# Altium PCB PCB1.PcbDoc (part 2 of 2)
Units mil, origin at the board's own origin, x right, y up, seen from the top; angles counter-clockwise.
Board outline 4800.71 x 4887.56 mil, 4 copper layers (Top Layer, Signal Layer 1, Signal Layer 2, Bottom Layer), stack 38.234 mil thick; 156 components, 108 nets, 515 pads, 93 vias.
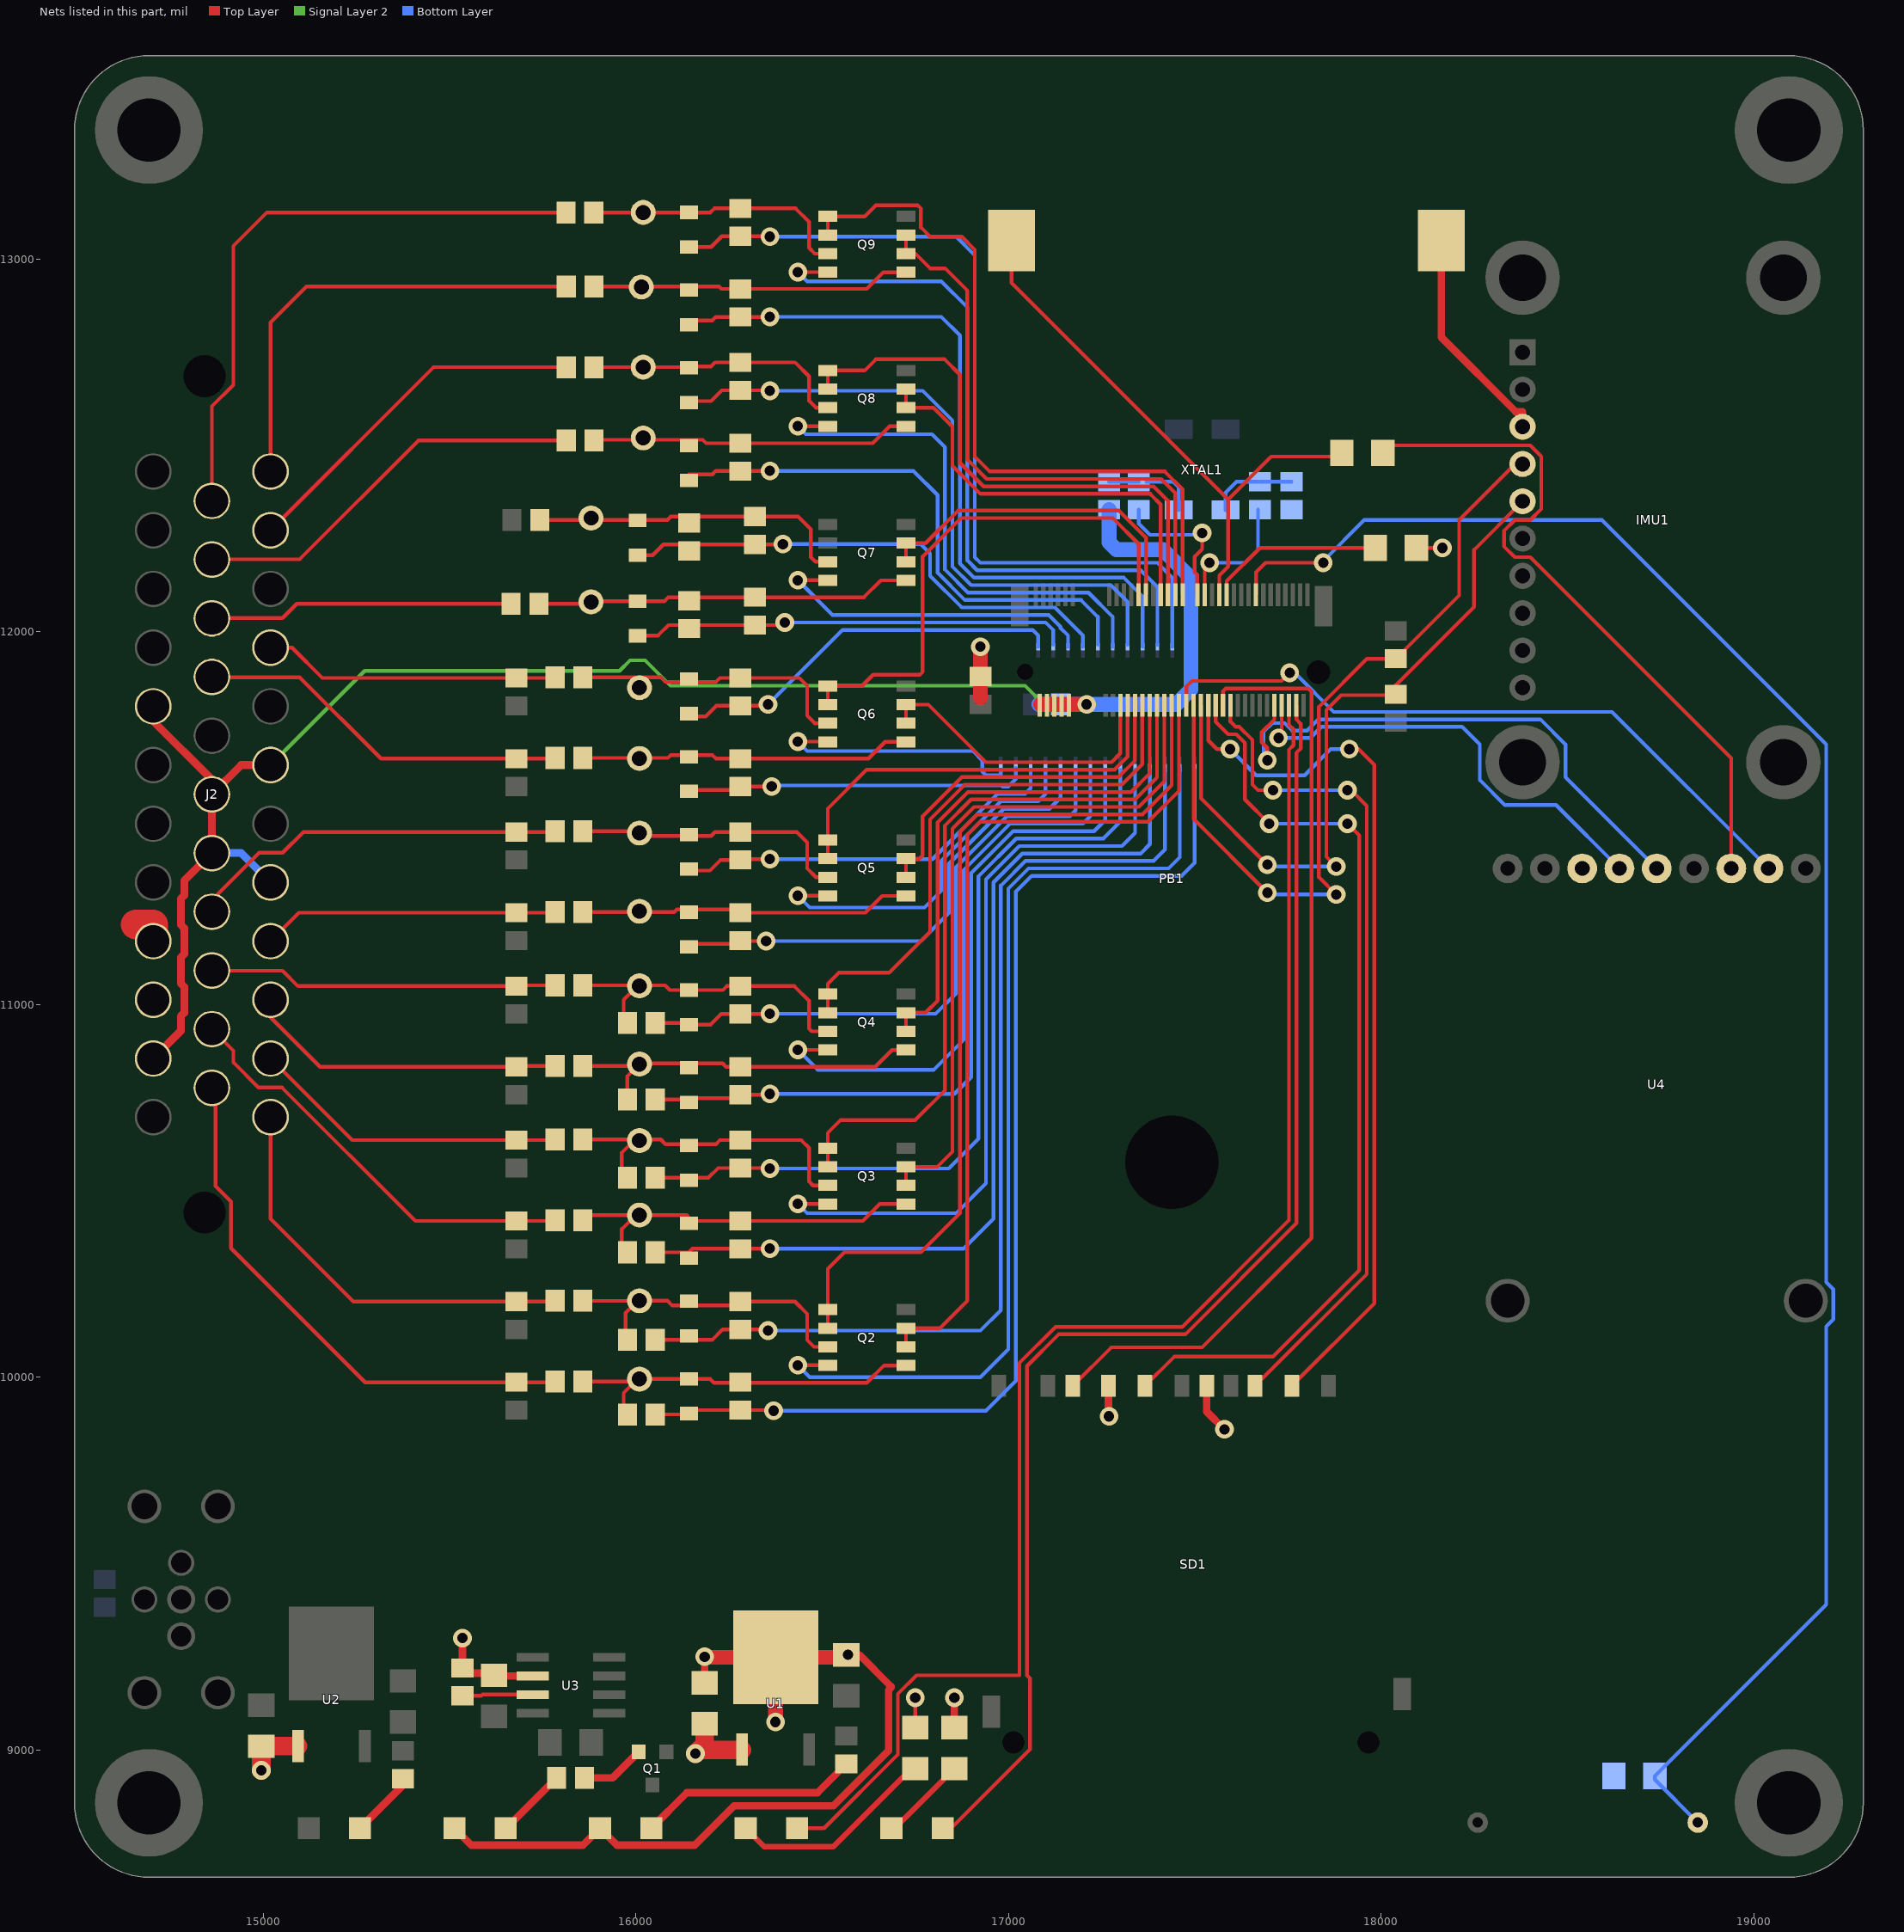
[diagram p4: the nets of this part, all layers, seen from the top]

## Via types
v1: diameter 50, hole 28, Top Layer to Bottom Layer, 93 vias

## Nets (pads, with @x,y where several pads share a name; then routed paths per layer and width w, separated by ;. In a path a pad name is that pad's centre, name@x,y a point inside that pad or via, vN(x,y) a via of type N, cw(c..) or ccw(c..) an arc to the next point about the centre after c; other vN are vias at no path point) (continued)
DGND: BT1.2 C3.1 C6.1 C23.1 C24.2 D2.2 D3.2 IMU1.3 J2.6 J2.8 J2.18 J2.19 J2.28 J2.34 PB1.2 PB1.4 PB1.6 PB1.8 PB1.10 R3.1 R4.1 R38.1 R46.1 R62.2 SD1.3 SD1.6 U1.2 U4.7 | length 8337
  Top Layer w10: R3.1@16750,9060.12 v1(16750,9140) ; R38.1@18095.12,12225 v1(18165,12225) v1@18175,12225
  Top Layer w20: D2.2@15513.18,8790 15558.71,8744.47 15858.63,8744.47 D3.2@15904.15,8790 15949.68,8744.47 16158.55,8744.47 16264.07,8850 16530.27,8850 16678.57,8998.3 16678.57,9160.49 16685,9166.92 16685,9170 16599.88,9255.12 C6.1@16565,9255.12 ; C3.1@16185,9180.12 16185,9247.17 v1@16186.42,9248.58 ; R4.1@16855,9060.12 v1(16855,9140) ; SD1.6@17268.54,9976.69 17268.54,9896.46 v1(17270,9895) ; SD1.3@17532.32,9976.69 17532.32,9907.68 v1(17580,9860) ; BT1.2@18161.77,13050 18161.77,12790.45 18362.22,12590 18380,12590 IMU1.3@18380,12550
  Top Layer w21: J2.34@14705.04,10855 14779.03,10928.99 14779.03,10968.39 14788.53,10977.9 14788.53,11047.06 14779.03,11056.57 14779.03,11125.87 14788.53,11135.38 14788.53,11204.54 14779.03,11214.05 14779.03,11283.35 14788.53,11292.86 14788.53,11332.19 J2.19@14862.52,11406.18 J2.18@14862.52,11563.66 ; J2.28@14705.04,11799.88 14705.04,11760.48 14862.52,11603 J2.18@14862.52,11563.66 ; J2.6@15020,11642.4 14941.26,11642.4 J2.18@14862.52,11563.66
  Top Layer w40: v1@16186.42,9248.58 U1.2@16375.35,9248.58 C6.1@16563.58,9248.58 ; v1(16375,9075) U1.2@16375,9246.85 ; PB1.2@17086.61,11805 v1(17210,11805)
  Signal Layer 2 w10: J2.6@15020,11642.4 15272.6,11895 15956.46,11895 15984.93,11923.46 16025.07,11923.46 16093.3,11855.24 17044.76,11855.24 17095,11805 v1(17210,11805)
  Bottom Layer w21: J2.19@14862.52,11406.18 14941.26,11406.18 J2.8@15020,11327.44 ; J2.6@15020,11642.4 J2.6@15020,11681.81
  Bottom Layer w40: R62.2@17139.8,11805 v1(17210,11805) 17450,11805 17490,11845 17490,12144.5 17414.5,12220 17290,12220 17270,12240 C23.1@17270,12327.6
  other v1: 16185,9250 16570,9255
GPS_EN: PB1.34 U4.2 | length 1825.4
  Top Layer w10: PB1.34@17477.64,11802.32 17477.64,11852.64 17492.83,11867.83 17732.83,11867.83 v1(17755,11890)
  Bottom Layer w10: v1@17773.1,11885 17873.1,11785 18620,11785 U4.2@19040,11365
GPS_RX: PB1.58 U4.5 | length 1550.7
  Top Layer w10: v1(17695,11655) 17695,11688.43 17680,11703.43 17680,11730.52 17713.86,11764.38 PB1.58@17713.86,11802.32
  Bottom Layer w10: v1(17695,11655) 17685,11665 17685,11731.57 17708.43,11755 17741.57,11755 17761.57,11735 17801.86,11735 17831.86,11765 18427.63,11765 18495,11697.63 18495,11610 U4.5@18740,11365
GPS_TX: PB1.60 U4.6 | length 1231.5
  Top Layer w10: v1(17725,11715) 17733.54,11723.54 PB1.60@17733.54,11802.32
  Bottom Layer w10: v1(17725,11715) 17810.15,11715 17840.15,11745 18217.63,11745 18265,11697.63 18265,11602.37 18332.37,11535 18470,11535 U4.6@18640,11365
LIN_POT_1: J2.13 R45.1 | length 1637.6
  Top Layer w10: J2.13@14862.52,12351.06 14862.52,12604.84 14920,12662.32 14920,13035 15010,13125 R45.1@15812.6,13125
LIN_POT_2: J2.1 R44.1 | length 1233.5
  Top Layer w10: J2.1@15020,12429.8 15020,12830 15116.34,12926.34 R44.1@15813.39,12926.34
LIN_POT_3: J2.2 R43.1 | length 974.6
  Top Layer w10: J2.2@15020,12272.32 15457.48,12709.8 R43.1@15813.39,12709.8
LIN_POT_4: J2.14 R42.1 | length 1083.2
  Top Layer w10: J2.14@14862.52,12193.58 14863.27,12194.33 15097.99,12194.33 15416.61,12512.95 R42.1@15813.39,12512.95
LINPOT1: PB1.33 Q9.1 Q9.2 | length 1968.2
  Top Layer w10: Q9.2@16515.39,13064.45 Q9.1@16515.39,13114.45 16614.32,13114.45 16644.32,13144.45 16756.61,13144.45 16765.39,13135.66 16765.39,13084.61 16790,13060 16875,13060 16910,13025 16910,12470 16950,12430 17420,12430 17467.79,12382.21 PB1.33@17467.79,12099.57
LINPOT2: PB1.31 Q9.6 Q9.7 | length 1571.3
  Top Layer w10: Q9.7@16725.39,13064.45 Q9.6@16725.39,13014.45 16750.55,13014.45 16790,12975 16830,12975 16890,12915 16890,12461.72 16941.72,12410 17410,12410 17447.79,12372.21 ; PB1.31@17448.11,12099.57 17448.11,12366.89
LINPOT3: PB1.29 Q8.1 Q8.2 | length 1523.2
  Top Layer w10: Q8.2@16515.39,12651.06 Q8.1@16515.39,12701.06 16614.32,12701.06 16644.32,12731.06 16828.94,12731.06 16870,12690 16870,12453.43 16933.43,12390 17390,12390 17428.42,12351.58 PB1.29@17428.42,12099.57
LINPOT4: PB1.27 Q8.6 Q8.7 | length 1143.4
  Top Layer w10: Q8.7@16725.39,12651.06 Q8.6@16725.39,12601.06 16798.94,12601.06 16850,12550 16850,12445.15 16925.15,12370 17381.72,12370 ; 17381.72,12368.28 17408.74,12341.26 PB1.27@17408.74,12099.57
NetC7_1: C7.1 D6.1 R7.2 R48.1 | length 3081.7
  Top Layer w10: R7.2@16042.4,9900 16140.55,9900 D6.1@16142.95,9902.4 16152.05,9911.5 C7.1@16280.75,9911.5 v1@16361.5,9911.5
  Bottom Layer w10: v1(16370,9910) 16940,9910 17020,9990 17020,11302.6 17062.4,11345 17465,11345 17500,11380 R48.1@17500,11630
NetC7_2: C7.2 D6.2 Q2.5 R7.1 R9.2 TP1.1 | length 994.6
  Top Layer w10: R9.2@15858.19,9988.27 TP1.1@15998.27,9988.27 ; R7.1@15967.6,9900 15967.6,9957.6 TP1.1@15998.27,9988.27 ; Q2.5@16725.39,10031.38 16666.38,10031.38 16620,9985 16210,9985 16199.6,9995.4 D6.2@16142.95,9995.4 16005.4,9995.4 16005,9995 TP1.1@15998.27,9988.27
NetC8_1: C8.1 D7.1 R10.2 R50.1 | length 2797.8
  Top Layer w10: R10.2@16047.4,10100 16205,10100 16233.03,10128.03 C8.1@16280.75,10128.03 v1@16351.97,10128.03
  Bottom Layer w10: v1(16355,10125) 16925,10125 16980,10180 16980,11319.17 17045.83,11385 17390,11385 17420,11415 R50.1@17420,11630
NetC8_2: C8.2 D7.2 Q2.3 R10.1 R12.2 TP2.1 | length 876.1
  Top Layer w10: R12.2@15858.19,10204.8 16004.8,10204.8 15972.6,10172.6 R10.1@15972.6,10100 ; TP2.1@16005,10205 16085,10205 16097.75,10192.25 16142.95,10192.25 16270.16,10192.25 C8.2@16280.75,10202.83 16427.17,10202.83 16460,10170 16460,10100 16478.62,10081.38 Q2.3@16515.39,10081.38
NetC9_1: C9.1 D8.1 R13.2 R51.1 | length 2524.2
  Top Layer w10: R13.2@16037.4,10335 16142.48,10335 16142.95,10335.47 16152.05,10344.57 C9.1@16280.75,10344.57 v1@16359.57,10344.57
  Bottom Layer w10: v1(16360,10345) 16880,10345 16960,10425 16960,11327.45 17037.55,11405 17355,11405 17380,11430 R51.1@17380,11630
NetC9_2: C9.2 D8.2 Q3.5 R13.1 R15.2 TP3.1 | length 1013.5
  Top Layer w10: R15.2@15858.19,10421.34 15871.85,10435 TP3.1@16000,10435 ; R13.1@15962.6,10335 15962.6,10397.6 TP3.1@16000,10435 ; Q3.5@16725.39,10464.45 16654.45,10464.45 16609.37,10419.37 C9.2@16280.75,10419.37 16152.05,10419.37 16142.95,10428.47 16136.42,10435 TP3.1@16000,10435
NetC10_1: C10.1 D9.1 R16.2 R53.1 | length 2202.1
  Top Layer w10: R16.2@16037.4,10535 16195,10535 16221.1,10561.1 C10.1@16280.75,10561.1 v1@16351.1,10561.1
  Bottom Layer w10: v1(16360,10560) 16840,10560 16920,10640 16920,11344.02 17020.98,11445 17255,11445 17300,11490 R53.1@17300,11630
NetC10_2: C10.2 D9.2 Q3.3 R16.1 R18.2 TP4.1 | length 883.2
  Top Layer w10: R18.2@15858.19,10637.87 16067.13,10637.87 16079.68,10625.32 16142.95,10625.32 16215.32,10625.32 16225.91,10635.91 C10.2@16280.75,10635.91 16444.09,10635.91 16465,10615 16465,10525 16475.55,10514.45 Q3.3@16515.39,10514.45 ; R16.1@15962.6,10535 15962.6,10602.6 TP4.1@15995,10635
NetC11_1: C11.1 D10.1 R19.2 R54.1 | length 1969.4
  Top Layer w10: R19.2@16052.4,10745 D10.1@16139.1,10745 ; D10.1@16139.1,10748.85 16142.95,10748.85 16271.65,10748.85 C11.1@16280.75,10757.95 v1@16357.95,10757.95
  Bottom Layer w10: v1(16360,10760) 16855,10760 16900,10805 16900,11352.31 17012.69,11465 17230,11465 17260,11495 R54.1@17260,11630
NetC11_2: C11.2 D10.2 Q4.5 R19.1 R21.2 TP5.1 | length 993.6
  Top Layer w10: R21.2@15858.19,10834.72 TP5.1@16004.72,10834.72 ; R19.1@15977.6,10745 15977.6,10807.6 TP5.1@16004.72,10834.72 ; Q4.5@16725.39,10877.83 16687.83,10877.83 16642.76,10832.76 C11.2@16280.75,10832.76 16242.24,10832.76 16233.15,10841.85 16142.95,10841.85 16011.85,10841.85 TP5.1@16010,10840 TP5.1@16004.72,10834.72
NetC12_1: C12.1 D11.1 R22.2 R56.1 | length 1665
  Top Layer w10: R22.2@16042.4,10950 D11.1@16138.66,10950 ; D11.1@16142.95,10945.7 16200.7,10945.7 16229.49,10974.49 C12.1@16280.75,10974.49 v1@16345.51,10974.49
  Bottom Layer w10: v1(16360,10975) 16805,10975 16860,11030 16860,11368.87 16996.13,11505 17165,11505 17180,11520 R56.1@17180,11630
NetC12_2: C12.2 D11.2 Q4.3 R22.1 R24.2 TP6.1 | length 876.5
  Top Layer w10: R24.2@15858.19,11051.26 16078.74,11051.26 16091.3,11038.7 D11.2@16142.95,11038.7 16233.7,11038.7 16244.29,11049.29 C12.2@16280.75,11049.29 16425.71,11049.29 16465,11010 16465,10935 16472.17,10927.83 Q4.3@16515.39,10927.83 ; R22.1@15967.6,10950 15967.6,11012.6 TP6.1@16005,11050
NetC13_1: C13.1 D12.1 R57.1 | length 1312.2
  Top Layer w10: D12.1@16142.95,11162.24 16271.65,11162.24 16279.41,11170 v1(16350,11170)
  Bottom Layer w10: v1(16350,11170) 16765,11170 16840,11245 16840,11377.16 16987.84,11525 17110,11525 17140,11555 R57.1@17140,11630
NetC13_2: C13.2 D12.2 Q5.5 R26.2 TP7.1 | length 879.7
  Top Layer w10: R26.2@15858.19,11248.11 16103.11,11248.11 16110.24,11255.24 16142.95,11255.24 C13.2@16271.65,11255.24 ; C13.2@16280.75,11246.14 16616.14,11246.14 16661.22,11291.22 Q5.5@16725.39,11291.22
NetC14_1: C14.1 D13.1 R59.1 | length 1055.5
  Top Layer w10: D13.1@16142.95,11359.09 16199.09,11359.09 16227.87,11387.87 C14.1@16280.75,11387.87 ; C14.1@16282.87,11390 v1(16360,11390)
  Bottom Layer w10: v1(16360,11390) 16796.27,11390 16971.27,11565 17045,11565 17060,11580 R59.1@17060,11630
NetC14_2: C14.2 D13.2 Q5.3 R28.2 TP8.1 | length 758.1
  Top Layer w10: R28.2@15858.19,11464.65 15995.35,11464.65 16000,11460 16007.91,11452.09 16142.95,11452.09 16202.09,11452.09 16212.68,11462.68 C14.2@16280.75,11462.68 16432.32,11462.68 16460,11435 16460,11365 16483.78,11341.22 Q5.3@16515.39,11341.22
NetC15_1: C15.1 D14.1 R60.1 | length 906.3
  Top Layer w10: D14.1@16142.95,11575.63 16271.65,11575.63 C15.1@16280.75,11584.72 16281.02,11585 v1@16350,11585
  Bottom Layer w10: v1(16365,11585) 16367.57,11587.57 16982.13,11587.57 16984.71,11585 17000,11585 17020,11605 R60.1@17020,11635
NetC15_2: C15.2 D14.2 Q6.5 R30.2 TP9.1 | length 892.6
  Top Layer w10: R30.2@15858.19,11661.5 16086.5,11661.5 16093.63,11668.63 16142.95,11668.63 16206.37,11668.63 16215.47,11659.53 C15.2@16280.75,11659.53 16624.53,11659.53 16669.61,11704.61 Q6.5@16725.39,11704.61
NetC16_1: C16.1 D15.1 R72.1 | length 1059.3
  Top Layer w10: D15.1@16142.95,11772.48 16187.48,11772.48 16216.26,11801.26 C16.1@16280.75,11801.26 v1@16346.26,11801.26
  Bottom Layer w10: v1(16355,11805) 16555,12005 17065,12005 17080,11990 R72.1@17080,11960
NetC16_2: C16.2 D15.2 Q6.3 R34.2 TP10.1 | length 764
  Top Layer w10: R34.2@15858.19,11878.03 16066.97,11878.03 16079.52,11865.48 16142.95,11865.48 16215.48,11865.48 16226.06,11876.06 C16.2@16280.75,11876.06 16438.94,11876.06 16460,11855 16460,11775 16480.39,11754.61 Q6.3@16515.39,11754.61
NetC17_1: C17.1 D16.1 R36.1 R71.1 | length 1172.8
  Top Layer w10: D16.1@16005.16,11989.01 16006.15,11990 16060,11990 16087.8,12017.8 16142.95,12017.8 R36.1@16320.12,12017.8 v1@16397.8,12017.8
  Bottom Layer w10: v1(16400,12025) 17100,12025 17120,12005 R71.1@17120,11965
NetC17_2: C17.2 D16.2 Q7.5 R36.2 R37.2 TP11.1 | length 1011
  Top Layer w10: R37.2@15740.39,12074.88 15874.88,12074.88 TP11.1@15880,12080 15882.01,12082.01 D16.2@16005.16,12082.01 16077.01,12082.01 16087.6,12092.6 16142.95,12092.6 R36.2@16320.12,12092.6 16612.6,12092.6 16657.68,12137.68 Q7.5@16725.39,12137.68
NetC18_1: C18.1 D17.1 R39.1 R69.1 | length 1372.7
  Top Layer w10: D17.1@16005.16,12205.55 16045.55,12205.55 16074.33,12234.33 16142.95,12234.33 R39.1@16320.12,12234.33 v1@16394.33,12234.33
  Bottom Layer w10: v1(16395,12235) 16765,12235 16790,12210 16790,12150 16875,12065 17125,12065 17200,11990 R69.1@17200,11960
NetC18_2: C18.2 D17.2 Q7.3 R39.2 R40.2 TP12.1 | length 871
  Top Layer w10: R40.2@15742.4,12300 16005.16,12300 16085,12300 16094.13,12309.13 16142.95,12309.13 R39.2@16320.12,12309.13 16435.87,12309.13 16470,12275 16470,12200 16482.32,12187.68 Q7.3@16515.39,12187.68
NetC19_1: C19.1 D18.1 R68.1 | length 1459.6
  Top Layer w10: D18.1@16142.95,12422.08 16205.47,12422.08 16214.57,12431.18 C19.1@16280.75,12431.18 v1@16359.57,12431.18
  Bottom Layer w10: v1(16360,12431.61) 16745,12431.61 16810,12366.61 16810,12158.28 16883.28,12085 17195,12085 17240,12040 R68.1@17240,11965
NetC19_2: C19.2 D18.2 Q8.5 R42.2 TP13.1 | length 857.5
  Top Layer w10: R42.2@15890.32,12515.08 16142.95,12515.08 16179.92,12515.08 16189.02,12505.98 C19.2@16280.75,12505.98 16635.98,12505.98 16681.06,12551.06 Q8.5@16725.39,12551.06
NetC20_1: C20.1 D19.1 R66.1 | length 1767.1
  Top Layer w10: D19.1@16142.95,12618.93 16202.32,12618.93 16231.1,12647.72 C20.1@16280.75,12647.72 v1@16358.9,12647.72
  Bottom Layer w10: v1(16360,12646.61) 16770,12646.61 16850,12566.61 16850,12174.85 16899.85,12125 17275,12125 17320,12080 R66.1@17320,11965
NetC20_2: C20.2 D19.2 Q8.3 R43.2 TP14.1 | length 720
  Top Layer w10: R43.2@15888.19,12709.8 D19.2@16142.95,12709.8 ; D19.2@16142.95,12711.93 16201.93,12711.93 16212.52,12722.52 C20.2@16280.75,12722.52 16427.48,12722.52 16465,12685 16465,12620 16483.94,12601.06 Q8.3@16515.39,12601.06
NetC21_1: C21.1 D20.1 R65.2 | length 2024.5
  Top Layer w10: D20.1@16142.95,12835.47 16205.47,12835.47 16214.57,12844.57 C21.1@16280.75,12844.57 v1@16359.57,12844.57
  Bottom Layer w10: v1(16360,12845) 16820,12845 16870,12795 16870,12183.14 16908.14,12145 17310,12145 17360,12095 R65.2@17360,11960
NetC21_2: C21.2 D20.2 Q9.5 R44.2 TP15.1 | length 858.2
  Top Layer w10: R44.2@15888.19,12926.34 16223.66,12926.34 16230,12920 16620,12920 16664.45,12964.45 Q9.5@16725.39,12964.45
NetC22_1: C22.1 D21.1 R63.2 | length 2346.5
  Top Layer w10: D21.1@16142.95,13032.32 16202.32,13032.32 16231.1,13061.1 C22.1@16280.75,13061.1 v1@16358.9,13061.1
  Bottom Layer w10: v1(16360,13060) 16860,13060 16910,13010 16910,12199.71 16924.71,12185 17400,12185 17440,12145 R63.2@17440,11960
NetC22_2: C22.2 D21.2 Q9.3 R45.2 TP16.1 | length 723.8
  Top Layer w10: R45.2@15887.4,13125 TP16.1@16020,13125 16200,13125 16210.91,13135.91 C22.2@16280.75,13135.91 16429.09,13135.91 16465,13100 16465,13030 16480.55,13014.45 Q9.3@16515.39,13014.45
NetC23_2: C23.2 R74.2 XTAL1.1 | length 234.2
  Bottom Layer w10: C23.2@17270,12402.4 R74.2@17350,12402.4 ; R74.2@17370,12402.4 17442.6,12402.4 17457.01,12387.99 XTAL1.1@17457.01,12326.73
NetC24_1: C24.1 R73.2 XTAL1.4 | length 230.4
  Bottom Layer w10: XTAL1.4@17582.99,12326.73 17582.99,12372.99 17612.4,12402.4 R73.2@17670,12402.4 ; R73.2@17675,12402.4 C24.1@17760,12402.4
NetD1_1: D3.1 R5.1 | length 594.5
  Top Layer w20: D3.1@16041.95,8790 16136.95,8885 16487.52,8885 R5.1@16565,8962.48
NetD2_1: D4.1 PB1.62 | length 3972.7
  Top Layer w10: D4.1@16432.92,8790 16505.62,8790 16703.57,8987.95 16703.57,9150.14 16753.43,9200 17030,9200 17030,10038.28 17126.72,10135 17466.72,10135 17752.91,10421.2 17752.91,11683.28 17765,11695.37 17765,11738.23 17753.23,11750 PB1.62@17753.23,11802.32
NetD2_2: D4.2 R3.2 | length 562.5
  Top Layer w15: D4.2@16295.13,8790 16345.13,8740 16530,8740 16739.88,8949.88 R3.2@16750,8949.88
NetD3_1: D5.1 PB1.64 | length 3634.6
  Top Layer w10: D5.1@16823.9,8790 16846.59,8790 17058.15,9001.56 17058.15,9191.85 17050,9200 17050,10030 17135,10115 17475,10115 17772.91,10412.91 17772.91,11675 17785,11687.09 17785,11752.91 17772.91,11765 PB1.64@17772.91,11802.32
NetD3_2: D5.2 R4.2 | length 235.1
  Top Layer w15: D5.2@16686.1,8790 16695.12,8790 R4.2@16855,8949.88
NetD4_1: D1.1 R2.1 | length 180.2
  Top Layer w20: D1.1@15260,8790 15375,8905 R2.1@15375,8922.6
NetD5_1: D2.1 R1.1 | length 192.5
  Top Layer w20: D2.1@15650.97,8790 15652.6,8790 R1.1@15787.6,8925
NetIMU1_4: IMU1.4 PB1.36 R35.2 | length 2221.9
  Top Layer w10: PB1.36@17497.32,11802.32 17497.32,11497.68 v1(17695,11300) ; v1(17880,11295) 17833.5,11341.5 17833.5,11798.5 17962.6,11927.6 R35.2@18040,11927.6 18210,12097.6 18210,12300 18360,12450 IMU1.4@18380,12450
  Bottom Layer w10: v1@17700,11295 v1(17880,11295)
NetIMU1_5: IMU1.5 PB1.38 R31.2 | length 1974.6
  Top Layer w10: PB1.38@17517.01,11802.32 17517.01,11552.99 v1(17695,11375) ; v1(17880,11370) 17853.5,11396.5 17853.5,11790.22 17893.09,11829.8 18037.4,11829.8 R31.2@18040,11832.4 18040,11856.92 18250,12066.92 18250,12220 IMU1.5@18380,12350
  Bottom Layer w10: v1@17700,11370 v1(17880,11370)
NetPB1_37: PB1.37 R74.1 | length 391.7
  Top Layer w10: PB1.37@17507.16,12099.57 17507.16,12152.84 17500,12160 17500,12201.57 17520,12221.57 v1(17520,12265)
  Bottom Layer w10: R74.1@17350,12327.6 17350,12290 17380,12260 v1@17515,12260
NetPB1_39: PB1.39 R73.1 | length 335.7
  Top Layer w10: PB1.39@17526.85,12099.57 v1@17526.85,12183.15
  Bottom Layer w10: v1(17540,12185) 17635,12185 17670,12220 R73.1@17670,12327.6
NetPB1_40: PB1.40 SD1.1 | length 2382.3
  Top Layer w10: PB1.40@17536.69,11802.32 17536.69,11708.31 17560,11685 v1(17595,11685) ; SD1.1@17760.67,9976.69 17981.97,10197.99 17981.97,11643.03 17940,11685 v1(17915,11685)
  Bottom Layer w10: v1(17595,11685) 17665,11615 17795,11615 17865,11685 v1(17915,11685)
NetPB1_42: PB1.42 SD1.5 | length 2514.2
  Top Layer w10: SD1.5@17366.97,9976.69 17445.28,10055 17710,10055 17941.97,10286.97 17941.97,11453.03 v1(17910,11485) ; PB1.42@17556.38,11802.32 17556.38,11758.62 17590,11725 17611.57,11725 17635,11701.57 17635,11550 v1(17700,11485)
  Bottom Layer w10: v1(17700,11485) v1(17910,11485)
NetPB1_44: PB1.44 SD1.7 | length 2552.5
  Top Layer w10: SD1.7@17173.07,9976.69 17276.38,10080 17520,10080 17813.5,10373.5 17813.5,11839.05 17804.72,11847.83 17583.63,11847.83 17576.06,11840.27 PB1.44@17576.06,11802.32
NetPB1_45: PB1.45 R38.2 | length 472.2
  Top Layer w10: PB1.45@17585.9,12099.57 17585.9,12135.9 17675,12225 R38.2@17984.88,12225
NetPB1_46: PB1.46 SD1.2 | length 2258.8
  Top Layer w10: PB1.46@17595.75,11802.32 17595.75,11759.25 17610,11745 17620,11745 17620,11744.85 17655,11709.85 17655,11590 17670,11575 v1(17710,11575) ; SD1.2@17662.24,9976.69 17961.97,10276.42 17961.97,11533.03 17920,11575 v1(17910,11575)
  Bottom Layer w10: v1@17705,11575 v1(17710,11575) v1(17910,11575)
NetPB1_53: PB1.53 R46.2 S1.1 | length 5042.6
  Top Layer w10: PB1.53@17664.64,12099.57 17664.64,12159.64 17690,12185 v1(17845,12185)
  Bottom Layer w10: v1@17845,12190 17955,12300 18592.63,12300 19195,11697.63 19195,10254.73 19214.06,10235.67 19214.06,10155.27 19195,10136.22 19195,9389.88 R46.2@18735.12,8930 18735.12,8920.16 S1.1@18850.28,8805
NetQ1_2: Q1.2 R1.2 | length 173.9
  Top Layer w20: R1.2@15862.4,8925 15938.31,8925 Q1.2@16007.6,8994.29
NetQ2_4: Q2.4 R49.1 | length 2659.9
  Top Layer w10: v1(16435,10031.93) Q2.4@16514.84,10031.93
  Bottom Layer w10: v1(16435,10031.93) 16466.93,10000 16925,10000 17000,10075 17000,11310.88 17054.12,11365 17430,11365 17460,11395 R49.1@17460,11635
NetQ3_4: Q3.4 R52.1 | length 2065.5
  Top Layer w10: v1(16435,10465) Q3.4@16514.84,10465
  Bottom Layer w10: v1(16435,10465) 16460,10440 16860,10440 16940,10520 16940,11335.74 17029.26,11425 17305,11425 17340,11460 R52.1@17340,11630
NetQ4_4: Q4.4 R55.1 | length 1560.5
  Top Layer w10: v1(16435,10878.39) Q4.4@16514.84,10878.39
  Bottom Layer w10: v1(16435,10878.39) 16488.39,10825 16800,10825 16880,10905 16880,11360.59 17004.41,11485 17200,11485 17220,11505 R55.1@17220,11630
NetQ5_4: Q5.4 R58.1 | length 996.5
  Top Layer w10: v1(16435,11291.77) Q5.4@16514.84,11291.77
  Bottom Layer w10: v1(16435,11291.77) 16466.77,11260 16775,11260 16820,11305 16820,11385.44 16979.56,11545 17080,11545 17100,11565 R58.1@17100,11630
NetQ6_4: Q6.4 R61.1 | length 694.8
  Top Layer w10: v1(16435,11705.16) Q6.4@16514.84,11705.16
  Bottom Layer w10: v1(16435,11705.16) 16460.16,11680 16905,11680 16930,11655 16930,11625 16940,11615 16980,11615 R61.1@16980,11630
NetQ7_4: Q7.4 R70.1 | length 898.2
  Top Layer w10: v1(16435,12138.23) Q7.4@16514.84,12138.23
  Bottom Layer w10: v1(16435,12138.23) 16528.23,12045 17108.28,12045 17140,12013.28 17140,12010 17160,11990 R70.1@17160,11960
NetQ8_4: Q8.4 R67.1 | length 1409.2
  Top Layer w10: v1(16435,12551.61) Q8.4@16514.84,12551.61
  Bottom Layer w10: v1(16435,12551.61) 16456.61,12530 16795,12530 16830,12495 16830,12166.57 16891.57,12105 17215,12105 17280,12040 R67.1@17280,11960
NetQ9_4: Q9.4 R64.1 | length 1947.4
  Top Layer w10: v1(16435,12965) Q9.4@16514.84,12965
  Bottom Layer w10: v1(16435,12965) 16460,12940 16820,12940 16890,12870 16890,12191.42 16916.42,12165 17355,12165 17400,12120 R64.1@17400,11965
NetR6_1: R6.1 U3.3 | length 190.4
  Top Layer w10: R6.1@15535,9145 15585,9145 15588.31,9148.31 U3.3@15724.02,9148.31
NetR74_1: R41.1 U4.3 | length 1893.6
  Top Layer w10: R41.1@18005.12,12480 18025.12,12500 18400.71,12500 18430,12470.71 18430,12329.29 18400.71,12300 18359.29,12300 18330,12270.71 18330,12229.29 18359.29,12200 18400.71,12200 18940,11660.71 U4.3@18940,11365
PDB_12V: C1.2 C3.2 C5.2 J2.33 R6.2 U1.1 U2.1 U3.2 | length 634.7
  Top Layer w20: R6.2@15535,9219.8 15549.21,9205.59 C5.2@15614.53,9205.59 ; R6.2@15535,9234.45 v1(15535,9300) ; C5.2@15621.81,9198.31 U3.2@15724.02,9198.31
  Top Layer w50: v1(14995,8945) C1.2@14995,9009.88 14995,9010.55 U2.1@15093.5,9010.55 ; C5.2@15614.53,9205.59 C5.2@15620,9200.12 C5.2@15621.81,9198.31 ; v1@16170.55,9000 16160.55,8990 v1(16160,8990) 16185,9015 C3.2@16185,9069.88 ; 16185,8999.88 U1.1@16284.92,8999.88
  Top Layer w80: J2.33@14702.72,11012.48 J2.33@14705.04,11012.48
PDB_GND: J2.32 R33.1 | length 188.7
  Top Layer w40: R33.1@16925,11862.6 R33.1@16925,11880 v1(16925,11960)
  Top Layer w80: 14658.24,11214.45 14705.04,11214.45 J2.32@14705.04,11169.96
PRESSURE: PB1.23 Q7.6 Q7.7 | length 913
  Top Layer w10: Q7.6@16725.39,12187.68 Q7.7@16725.39,12237.68 16777.68,12237.68 16865,12325 17296.72,12325 17369.37,12252.35 PB1.23@17369.37,12099.57
PRESSURE_IN: J2.15 R37.1 | length 818.1
  Top Layer w10: J2.15@14863.27,12036.85 15052.31,12036.85 15090.34,12074.88 R37.1@15665.59,12074.88
SIGNAL1: PB1.22 Q4.1 Q4.2 | length 1500.3
  Top Layer w10: Q4.2@16515.39,10977.83 Q4.1@16515.39,11027.83 16515.39,11055.39 16545,11085 16680,11085 16790,11195 16790,11496.72 16883.28,11590 17305,11590 17359.53,11644.53 PB1.22@17359.53,11802.32
SIGNAL2: PB1.24 Q4.6 Q4.7 | length 1432.4
  Top Layer w10: Q4.6@16725.39,10927.83 Q4.7@16725.39,10977.83 16777.83,10977.83 16810,11010 16810,11488.43 16891.57,11570 17329.21,11570 17379.21,11620 PB1.24@17379.21,11802.32
SIGNAL3: PB1.26 Q3.1 Q3.2 | length 1978.8
  Top Layer w10: Q3.2@16515.39,10564.45 Q3.1@16515.39,10614.45 16515.39,10655.39 16550,10690 16750,10690 16830,10770 16830,11480.15 16899.85,11550 17340,11550 17398.9,11608.9 PB1.26@17398.9,11802.32
SIGNAL4: PB1.28 Q3.6 Q3.7 | length 1881.4
  Top Layer w10: Q3.6@16725.39,10514.45 Q3.7@16725.39,10564.45 16809.45,10564.45 16850,10605 16850,11471.86 16908.14,11530 17348.28,11530 ; 17350,11530 17418.58,11598.58 PB1.28@17418.58,11802.32
SIGNAL5: PB1.30 Q2.1 Q2.2 | length 2433.1
  Top Layer w10: Q2.2@16515.39,10131.38 Q2.1@16515.39,10181.38 16515.39,10290.39 16560,10335 16765,10335 16870,10440 16870,11463.58 16916.42,11510 17360,11510 17438.27,11588.27 PB1.30@17438.27,11802.32
SIGNAL6: PB1.32 Q2.6 Q2.7 | length 2341.5
  Top Layer w10: Q2.6@16725.39,10081.38 Q2.7@16725.39,10131.38 16816.38,10131.38 16890,10205 16890,11455.29 16924.71,11490 17375,11490 17457.95,11572.95 PB1.32@17457.95,11802.32
SIGNAL_1: J2.21 R23.1 R24.1 | length 935.2
  Top Layer w10: J2.21@14863.27,11090.47 15052.31,11090.47 15093.49,11049.29 R23.1@15679.57,11049.29 ; R23.1@15681.54,11051.26 R24.1@15783.39,11051.26
SIGNAL_2: J2.10 R20.1 R21.1 | length 816.3
  Top Layer w10: J2.10@15020,10965.3 15152.54,10832.76 R20.1@15679.57,10832.76 ; R20.1@15681.54,10834.72 R21.1@15783.39,10834.72
SIGNAL_3: J2.11 R17.1 R18.1 | length 852.2
  Top Layer w10: J2.11@15020,10855 15239.09,10635.91 R17.1@15679.57,10635.91 R18.1@15781.42,10635.91
SIGNAL_4: J2.22 R14.1 R15.1 | length 1150.4
  Top Layer w10: J2.22@14862.52,10933.74 14920.16,10876.1 14920.16,10844.54 14987.69,10777.01 15050.81,10777.01 15408.45,10419.37 R14.1@15679.57,10419.37 R15.1@15781.42,10419.37
SIGNAL_5: J2.12 R11.1 R12.1 | length 1126
  Top Layer w10: J2.12@15020,10697.52 15020,10425 15242.17,10202.83 R11.1@15679.57,10202.83 R12.1@15781.42,10202.83
SIGNAL_6: J2.23 R8.1 R9.1 | length 1454.2
  Top Layer w10: J2.23@14872.29,10766.49 14872.29,10512.72 14913.94,10471.07 14913.94,10346.06 15273.7,9986.3 R8.1@15679.57,9986.3 R9.1@15781.42,9986.3
THERM1: PB1.21 Q6.1 Q6.2 | length 1416.6
  Top Layer w10: Q6.2@16515.39,11804.61 Q6.1@16515.39,11854.61 16607.02,11854.61 16637.02,11884.61 16762.18,11884.61 16770,11892.43 16770,12201.72 16873.28,12305 17280,12305 17349.68,12235.32 PB1.21@17349.68,12099.57
THERM2: PB1.16 Q6.6 Q6.7 | length 827.7
  Top Layer w10: Q6.6@16725.39,11754.61 Q6.7@16725.39,11804.61 16785.39,11804.61 16940,11650 17277.03,11650 17300.47,11673.44 PB1.16@17300.47,11802.32
THERM3: PB1.18 Q5.1 Q5.2 | length 1128.9
  Top Layer w10: Q5.2@16515.39,11391.22 Q5.1@16515.39,11441.22 16515.39,11525.39 16620,11630 17280,11630 ; 17285.31,11630 17320.16,11664.84 PB1.18@17320.16,11802.32
THERM4: PB1.20 Q5.6 Q5.7 | length 982.6
  Top Layer w10: Q5.6@16725.39,11341.22 Q5.7@16725.39,11391.22 16761.22,11391.22 16770,11400 16770,11505 16875,11610 17295,11610 17339.84,11654.84 PB1.20@17339.84,11802.32
THERM_1: J2.4 R32.1 R34.1 | length 795.1
  Top Layer w10: J2.4@15020,11957.36 15077.64,11957.36 15158.94,11876.06 R32.1@15679.57,11876.06 R34.1@15781.42,11876.06
THERM_2: J2.16 R29.1 R30.1 | length 1008.6
  Top Layer w10: J2.16@14863.27,11877.87 15097.99,11877.87 15316.34,11659.53 R29.1@15679.57,11659.53 R30.1@15781.42,11659.53
THERM_3: J2.20 R27.1 R28.1 | length 994.5
  Top Layer w10: J2.20@14862.52,11280.26 14989.19,11406.93 15052.31,11406.93 15108.05,11462.68 R27.1@15679.57,11462.68 R28.1@15781.42,11462.68
THERM_4: J2.9 R25.1 R26.1 | length 793
  Top Layer w10: J2.9@15020,11169.96 15096.18,11246.14 R25.1@15679.57,11246.14 R26.1@15781.42,11246.14
V_BAT: BT1.1 PB1.43 R41.2 | length 1557.9
  Top Layer w10: BT1.1@17008.23,13050 17008.23,12936.77 17590,12355 ; PB1.43@17566.22,12099.57 17566.22,12151.22 17590,12175 17590,12355 ; R41.2@17894.88,12480 17885,12470.12 17705.12,12470.12 17590,12355
pads on no net: IMU1.0 IMU1.2 IMU1.6 IMU1.7 IMU1.8 IMU1.9 IMU1.10 J1.1 J2.0 PB1.0 PB1.14 PB1.15 PB1.35 PB1.41 PB1.47 PB1.48 PB1.49 PB1.50 PB1.51 PB1.52 PB1.54 PB1.55 PB1.56 PB1.57 PB1.59 PB1.61 PB1.63 PB1.65 PB1.66 PB1.67 SD1.0 SD1.8 SD1.9 SD1.CD SD1.GND SD1.WP U3.1 U3.5 U3.7 U3.8 U4.0 U4.1 U4.4 U4.9 XTAL1.2 XTAL1.3

## Polygon pours and split planes (outlines as drawn)
DGND on Bottom Layer "DGND" (solid, remove dead copper, pour order 10): 19970,8660 19970,13530 16280,13530 16280,8654.05
3_3V on Top Layer "3.3V" (solid, remove dead copper, pour order 12): 19995,8640 19995,13550 16645,13550 16645,8645 17430,8645
PDB_GND on Signal Layer 2 "PDB_GND" (solid, pour order 16): 14510,11065 14895,11065 14895,11060 14895,13260 16385,13260 16830,13260 16830,13050 16830,11915 17279.57,11915 17279.57,13530 17265,13530 14535,13530 14535,13420
AGND on Signal Layer 2 "AGND INTERNAL" (solid, pour order 18): 14505,13555 19995,13555 19995,8625 19995,8630 14495,8630
3_3VA on Signal Layer 1 "33" (solid, pour order 20): 15885,9060 16455,9060 16455,9180 16455,9475 16950,9475 16950,13285 15220,13285 15220,9710 15320,9710 15590,9710 15590,9590 15590,9060 15635,9060
PDB_12V on Signal Layer 1 "PDB_12V" (solid, pour order 26): 14505,11295 14855,11295 14855,11170 14855,10740 14830,10740 14830,10150 14830,9465 17175,9465 17175,8645 17095,8645 14500,8645

## Keep-outs
Keep-Out Layer:
  lines w1: 14493.28,8858.27 ccw(c14693.78,8858.27) 14693.78,8657.77 19094.49,8657.77 ccw(c19094.49,8858.27) 19294.99,8858.27 19294.99,13345.83 ccw(c19094.49,13345.83) 19094.49,13546.33 14693.78,13546.33 ccw(c14693.78,13345.83) 14493.28,13345.83 14493.28,8858.27

## Silkscreen, mask and mechanical layers (free items; w line width, h text height)
Top Overlay:
  drawing of 1116 lines, arcs and shapes, not listed
  text "E17-05-DAQ" at 18215,9505 h100
  text "A 5V" at 15110,8690 h40
  text "A 3.3V" at 15470,8690 h40
  text "D 3.3V" at 15870,8690 h40
  text "SD FULL" at 16235,8690 h40
  text "RECORDING" at 16575,8690 h40

## Text inside footprints (layer, text, board x,y; h text height)
BT1: Top Overlay "-" at 18077.13,13250.79 h60; Top Overlay "+" at 17053.5,13254.72 h60
D6: Top Overlay "K" at 16137.95,10018.9 h30 r90
D7: Top Overlay "K" at 16137.95,10227.56 h30 r90
D8: Top Overlay "K" at 16137.95,10436.22 h30 r90
D9: Top Overlay "K" at 16137.95,10644.88 h30 r90
D10: Top Overlay "K" at 16137.95,10853.54 h30 r90
D11: Top Overlay "K" at 16137.95,11062.2 h30 r90
D12: Top Overlay "K" at 16137.95,11270.87 h30 r90
D13: Top Overlay "K" at 16137.95,11479.53 h30 r90
D14: Top Overlay "K" at 16137.95,11688.19 h30 r90
D16: Top Overlay "K" at 16000.16,12105.51 h30 r90
D17: Top Overlay "K" at 16000.16,12322.05 h30 r90
D18: Top Overlay "K" at 16137.95,12522.83 h30 r90
D19: Top Overlay "K" at 16137.95,12731.5 h30 r90
D20: Top Overlay "K" at 16137.95,12940.16 h30 r90
D21: Top Overlay "K" at 16137.95,13148.82 h30 r90